# Altium PCB Power Distribution Board Rev5.PcbDoc (part 1 of 2) (continued)
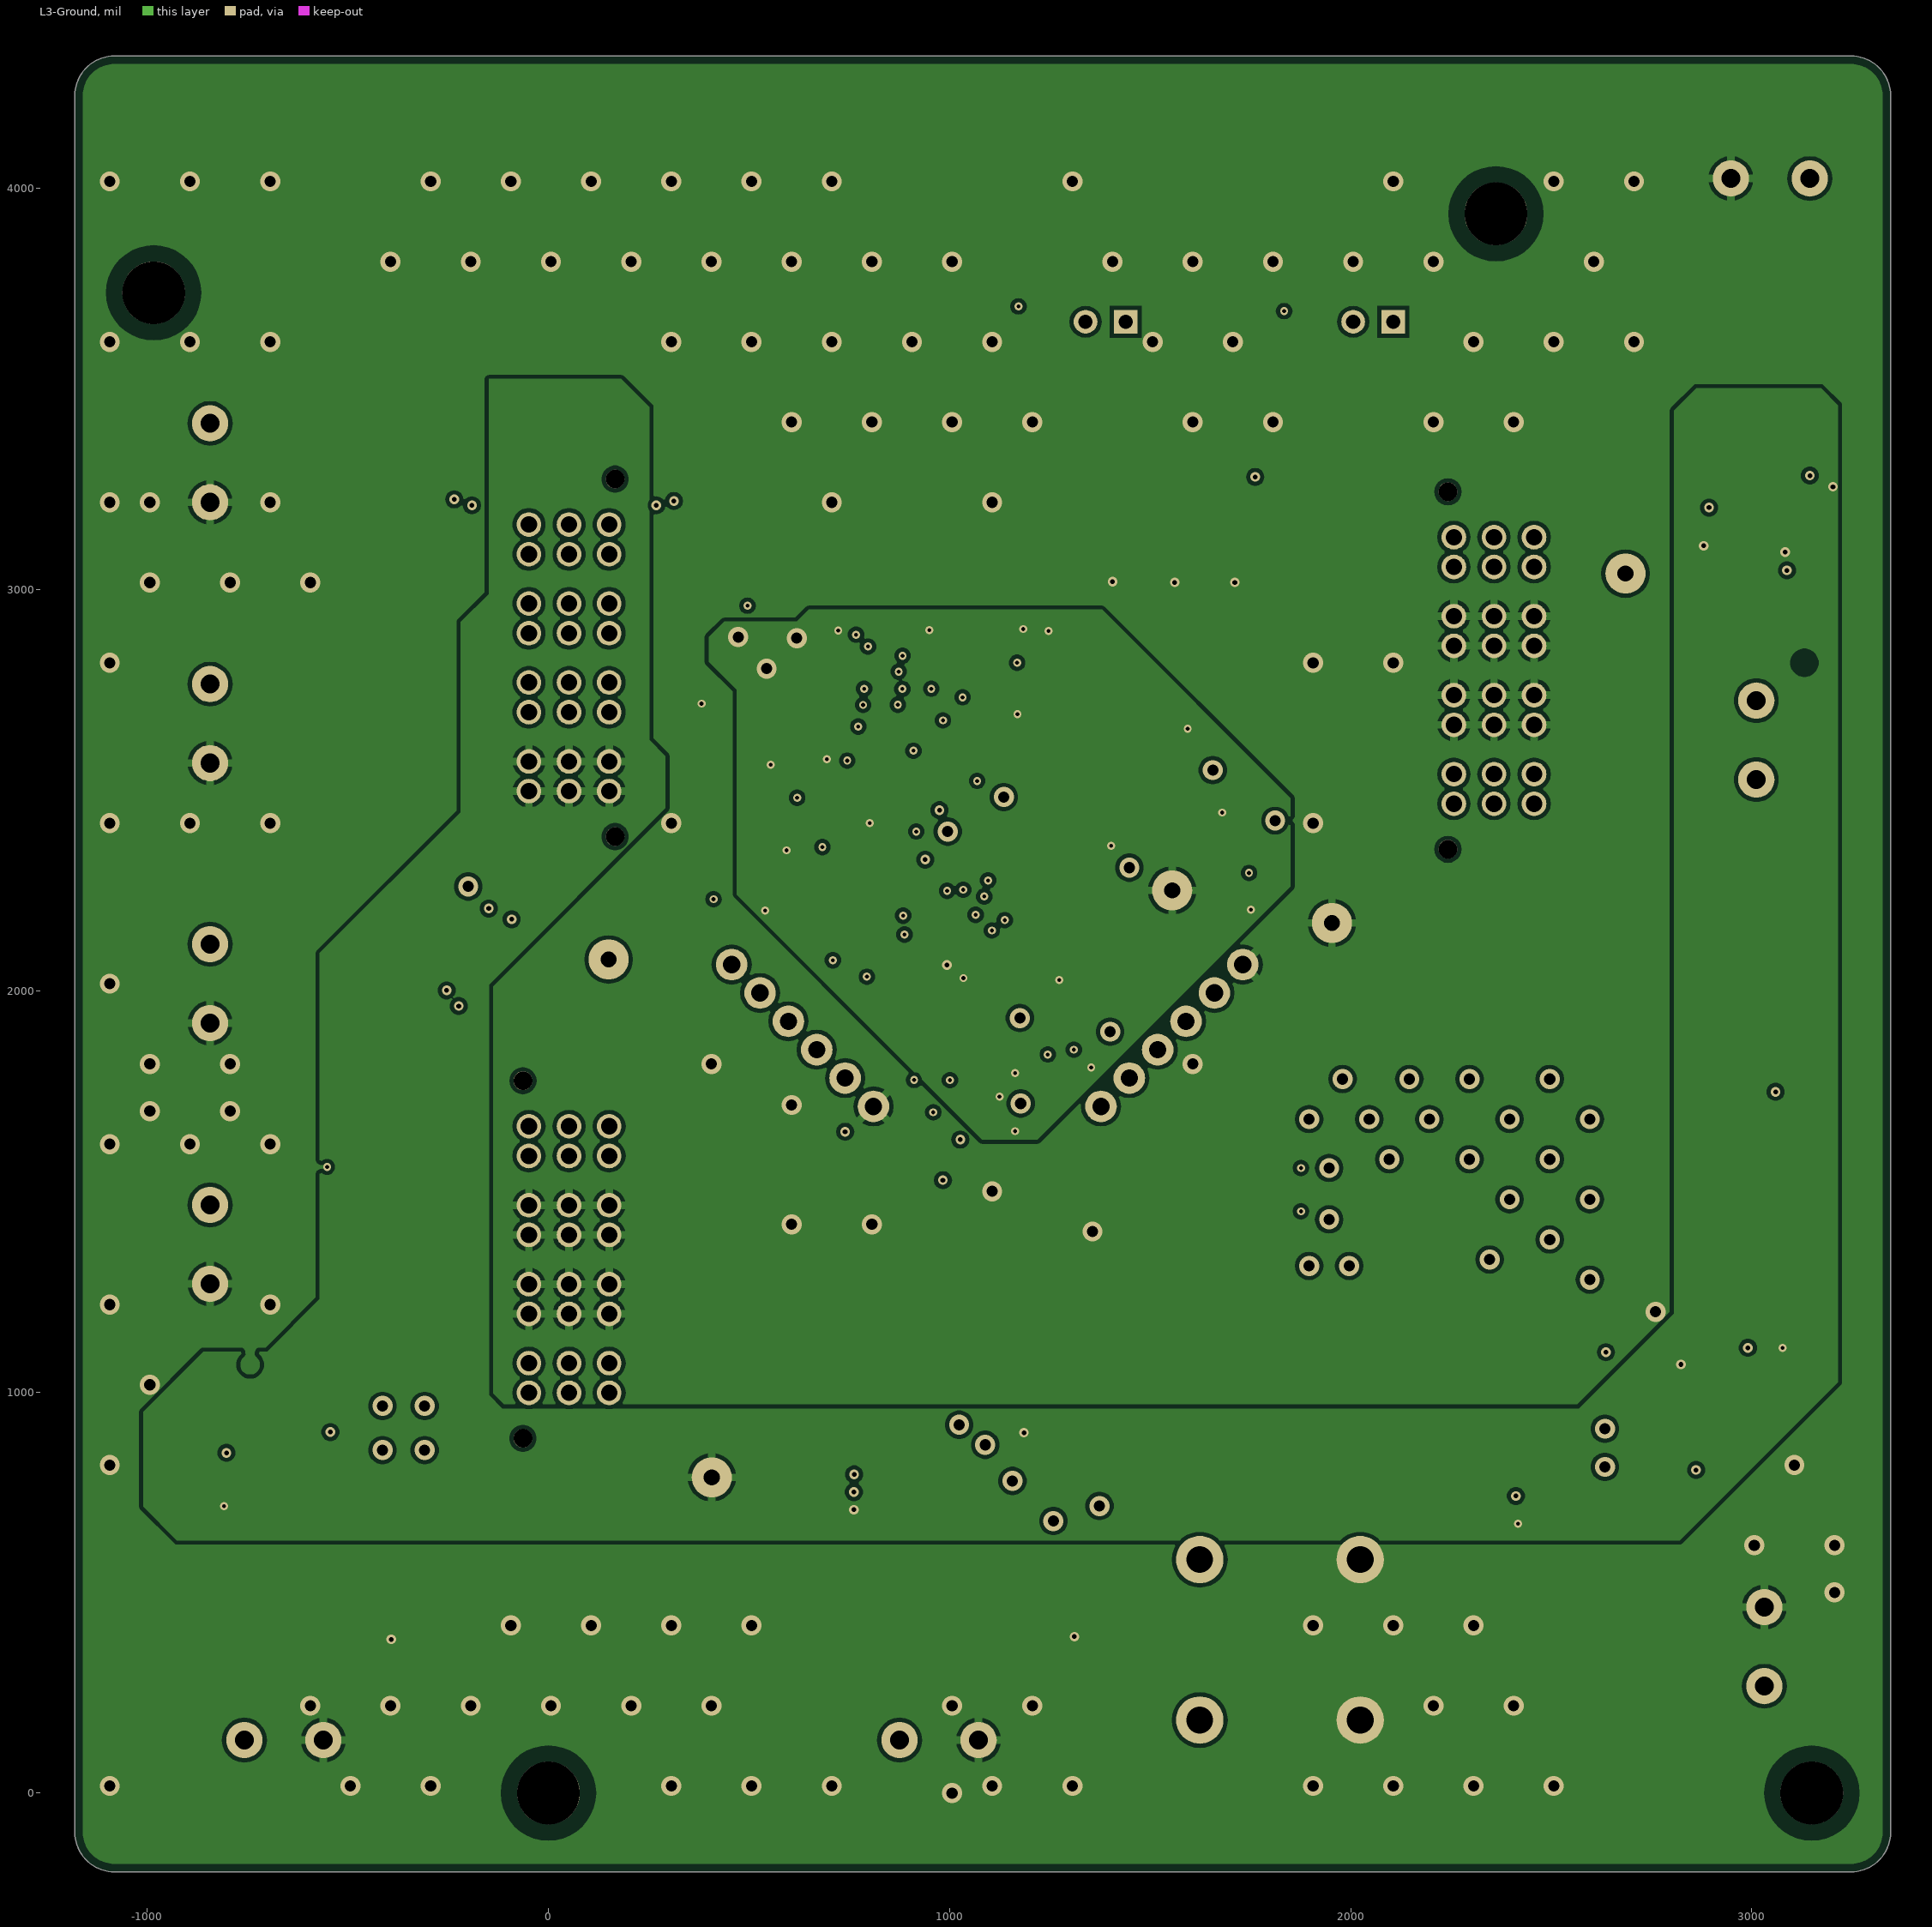
[diagram p3: L3-Ground]
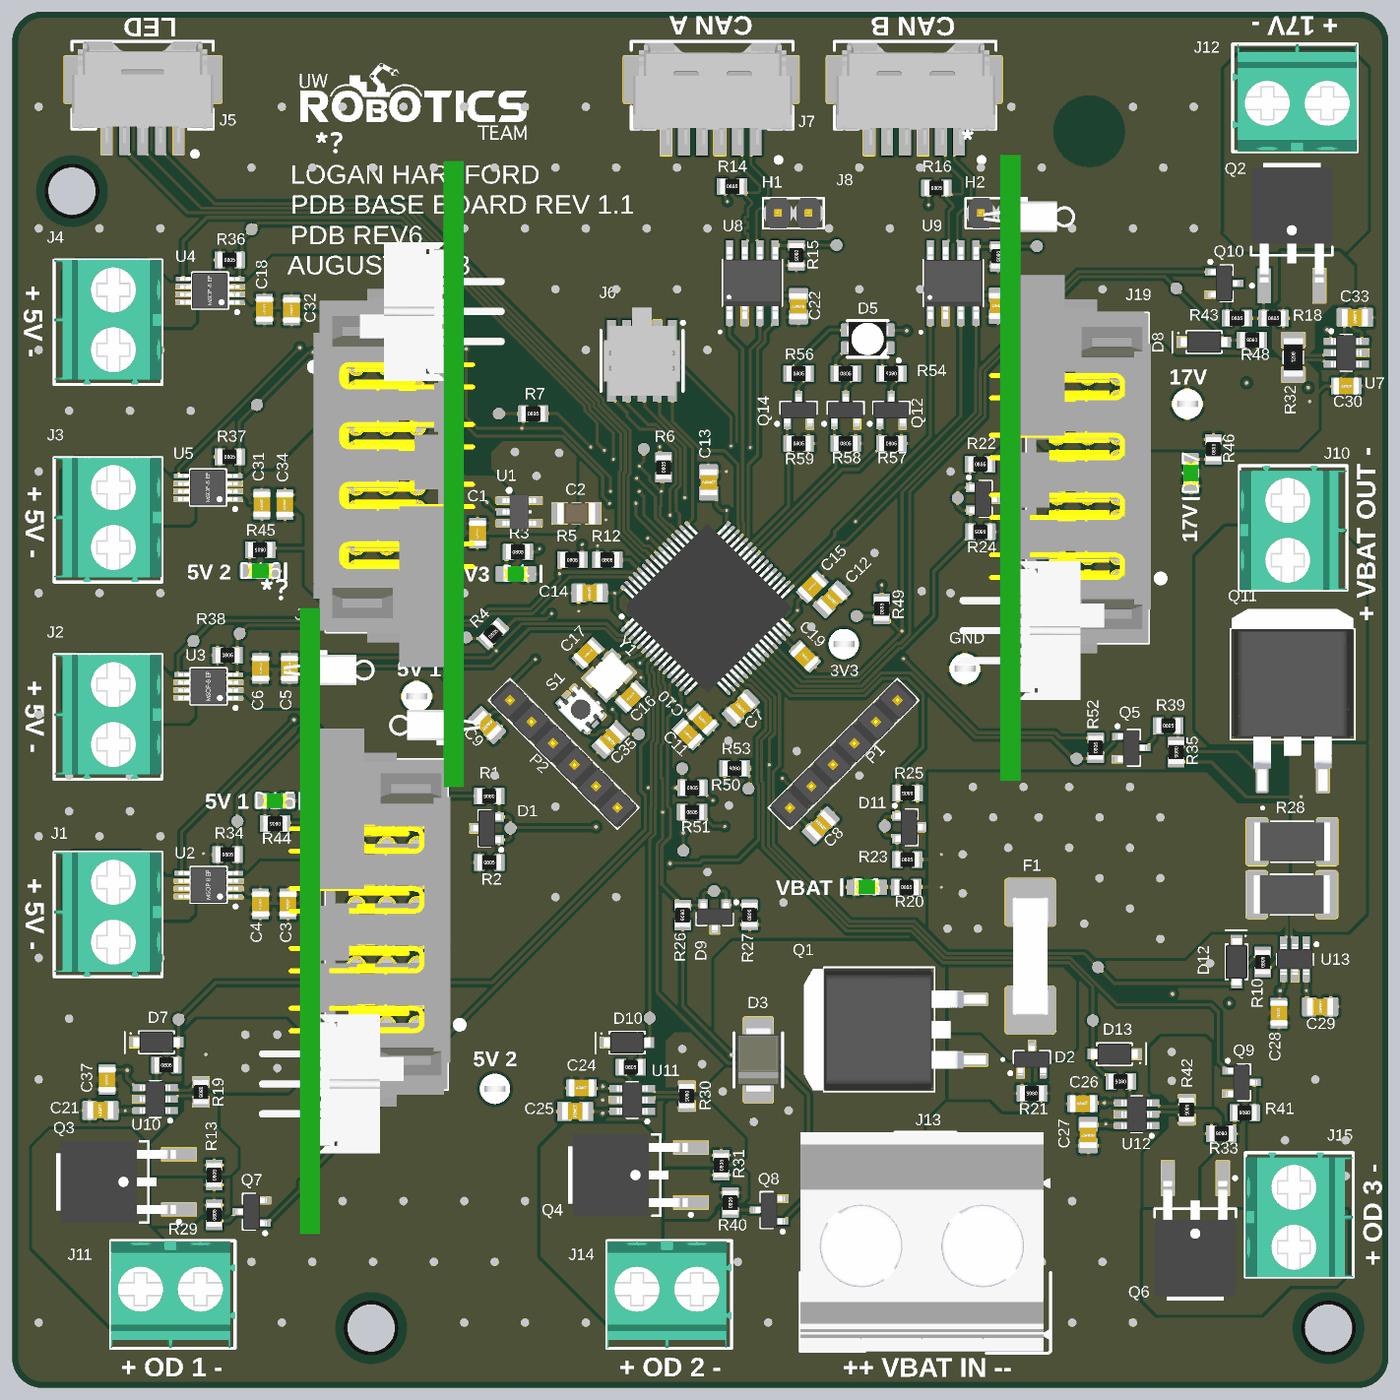
[diagram p5: 3D render of the assembled board from above, using the file's embedded part models]

## Layer stack, top to bottom
Top Solder: solder mask 0.5, Solder Resist, Dk 3.8
Top Layer: signal copper 1.378
Dielectric 1: prepreg 8.2835, 7628, Dk 4.6
L2-Ground: signal copper 0.5984
Core: core 41.9291, FR-4, Dk 4.5
L3-Ground: signal copper 0.5984
Dielectric 2: prepreg 8.2835, 7628, Dk 4.6
Bottom Layer: signal copper 1.378
Bottom Solder: solder mask 0.5, Solder Resist, Dk 3.8

## Board outline
-1181.1,-96.85 ccw(c-1081.1,-96.85) -1081.1,-196.85 3246.46,-196.85 ccw(c3246.46,-96.85) 3346.46,-96.85 3346.46,4230.71 ccw(c3246.46,4230.71) 3246.46,4330.71 -1081.1,4330.71 ccw(c-1081.1,4230.71) -1181.1,4230.71

## Design rules (kind name [scope] priority, off if disabled: settings)
BoardOutlineClearance [All] p1: gap=20 ignorepadtopadclearanceinfootprint=FALSE except(5: Text-OutlineEdge Text-CavityEdge Text-CutoutEdge Text-SplitBarrior Text-SplitContinuation; 25: Track-OutlineEdge Track-CavityEdge Track-CutoutEdge Track-SplitBarrior Track-SplitContinuation)
Clearance Clearance_mounting [(InComponent('MH1') OR InComponent('MH2') OR InComponent('MH3') OR InComponent('MH4'))] p1: gap=40 ignorepadtopadclearanceinfootprint=TRUE
Clearance "High Voltage Internal" [InNetClass('High_Voltage_Internal')  and OnLayer('Power')] p2: gap=20 ignorepadtopadclearanceinfootprint=TRUE
Clearance "High Voltage External" [InNetClass('High_Voltage')  and OnLayer('Signal')] p3: gap=12 ignorepadtopadclearanceinfootprint=TRUE
Clearance Clearance_1 [All] p4: gap=10 ignorepadtopadclearanceinfootprint=TRUE except(0: Arc-Text Track-Text; 5: Track-Track SMDPad-SMDPad Text-Text; 7: SMDPad-Region; 8: Arc-Arc Arc-Track Arc-SMDPad Track-SMDPad Track-Region SMDPad-THPad SMDPad-Fill SMDPad-Poly SMDPad-Text Region-Region; 20: THPad-THPad Via-Via)
ComponentClearance [All] p1: gap=10 collisioncheckmode=3 verticalgap=200 showdistances=FALSE
DiffPairsRouting [InDifferentialPairClass('CANBUS120')] p1: maxlimit=20 minlimit=8 mostfreqgap=20 toplayer_mingap=20 toplayer_minwidth=8 toplayer_maxwidth=8 toplayer_prefwidth=8 impedanceprofiledriven=TRUE impedanceprofileid={4CE2BA0C-8610-4AF6-9104-F98BE8B16325} impedanceprofilevalue=120.000000 maxuncoupledlength=500
Height [All] p1: minheight=0 maxheight=50000 prefheight=500
HoleSize [All] p1: absolutevalues=TRUE maxlimit=200 minlimit=10 maxpercent=80.000 minpercent=20.000
HoleToHoleClearance [All] p1: gap=20 allowstackedmicrovias=TRUE
MatchedLengths [InDifferentialPairClass('CANBUS120')] p1: tolerance=50 checknetsindiffpair=TRUE checkdiffpairvsdiffpair=FALSE checkxsignals=FALSE checkothers=FALSE
MinimumAnnularRing [All] p1: minimumring=5
MinimumSolderMaskSliver [All] p1: minsoldermaskwidth=3
PlaneConnect [All] p1: pad.planeconnectstyle=Relief pad.reliefexpansion=20 pad.reliefentries=4 pad.reliefconductorwidth=10 pad.reliefairgap=10 via.planeconnectstyle=Direct via.reliefexpansion=20 via.reliefentries=4 via.reliefconductorwidth=10 via.reliefairgap=10
PolygonConnect VBAT_Terminal [InComponent('J13')] p1: thpad.connectstyle=Direct thpad.reliefconductorwidth=10 thpad.reliefentries=4 thpad.polygonreliefangle="90 Angle" thpad.airgapwidth=10 smdpad.connectstyle=Relief smdpad.reliefconductorwidth=10 smdpad.reliefentries=4 smdpad.polygonreliefangle="90 Angle" smdpad.airgapwidth=10 via.connectstyle=Relief via.reliefconductorwidth=10 via.reliefentries=4 via.polygonreliefangle="90 Angle" via.airgapwidth=10
PolygonConnect DirectConnect_CS_Resistors [(InComponent('R19') OR InComponent('R30') OR InComponent('R42'))] p2: connectstyle=Direct reliefconductorwidth=10 reliefentries=4 polygonreliefangle="90 Angle" airgapwidth=10
PolygonConnect Small_Component_Releifs [(HasFootprint('CAP0805') OR HasFootprint('CAP0603') OR HasFootprint('RES0603') OR HasFootprint('RES0805') OR HasFootprint('CAP2012') OR HasFootprint('SOD-923') OR HasFootprint('SOD-128') OR HasFootprint('LED_0805_GREEN'))] p3: thpad.connectstyle=Relief thpad.reliefconductorwidth=10 thpad.reliefentries=4 thpad.polygonreliefangle="90 Angle" thpad.airgapwidth=10 smdpad.connectstyle=Relief smdpad.reliefconductorwidth=10 smdpad.reliefentries=4 smdpad.polygonreliefangle="90 Angle" smdpad.airgapwidth=10 via.connectstyle=Direct via.reliefconductorwidth=10 via.reliefentries=4 via.polygonreliefangle="45 Angle" via.airgapwidth=10
PolygonConnect PolygonConnect_Via [IsVia] p4: connectstyle=Direct reliefconductorwidth=10 reliefentries=4 polygonreliefangle="90 Angle" airgapwidth=10
PolygonConnect [All] p5: thpad.connectstyle=Relief thpad.reliefconductorwidth=20 thpad.reliefentries=4 thpad.polygonreliefangle="90 Angle" thpad.airgapwidth=10 smdpad.connectstyle=Direct smdpad.reliefconductorwidth=10 smdpad.reliefentries=4 smdpad.polygonreliefangle="90 Angle" smdpad.airgapwidth=10 via.connectstyle=Direct via.reliefconductorwidth=10 via.reliefentries=4 via.polygonreliefangle="90 Angle" via.airgapwidth=10
RoutingVias [All] p1: holewidth=12 width=24 viastyle="Through Hole" minholewidth=6 minwidth=12 maxholewidth=24 maxwidth=50
SilkToSilkClearance [All] p1: silktosilkclearance=2
SilkToSolderMaskClearance [IsPad] p1: minsilkscreentomaskgap=0.5 clearancetoexposedcopper=TRUE
SolderMaskExpansion [All] p1: expansion=2 istentingtop=FALSE
Width Width_1 [All] p1: maxlimit=100 minlimit=5 preferedwidth=10 midlayer1_maxwidth=10 minimp=50.000000 maximp=50.000000 favimp=50.000000
21 further rules are at their usual default settings.

## Classes and differential pairs
component class "SH1 - 48V POWER": C21 C24 C25 C26 C27 C28 C29 C37 D2 D3 D6 D7 D10 D11 D12 D13 F1 J10 J11 J13 J14 J15 Q1 Q3 Q4 Q5 Q6 Q7 Q8 Q9 Q11 R8 R9 R10 R11 R13 R19 R20 R21 R23 R25 R28 R29 R30 R31 R33 R35 R39 R40 R41 R42 R47 R50 R51 R52 R53 "TP 14" "TP 15" "TP 16" "TP 17" "TP 18" "TP 19" "TP 20" "TP 21" "TP 22" U10 U11 U12 U13
differential pair class CANBUS120: CANA CANB
component class "SH6 - CAN": C22 C23 H1 H2 J7 J8 R14 R15 R16 R17 "TP 24" "TP 25" U8 U9
component class "SH5 - MICROCONTROLLER": C7 C8 C9 C10 C11 C12 C13 C14 C15 C16 C17 C19 C35 D5 J5 J6 MH1 MH2 MH3 MH4 P1 P2 Q12 Q13 Q14 R12 R54 R55 R56 R57 R58 R59 S1 "TP  NRST1" U6 Y1
component class "SH3 - 17V POWER": * *? C30 C33 D8 D14 D17 J12 J19 Q2 Q10 R18 R22 R24 R32 R43 R46 R48 R49 TP5 "TP 11" "TP 12" "TP 13" U7
component class "SH2 - 5V POWER": C3 C4 C5 C6 C18 C31 C32 C34 D1 D9 D15 D16 EN1 J1 J2 J3 J4 J9 J16 R1 R2 R4 R5 R6 R7 R26 R27 R34 R36 R37 R38 R44 R45 TP3 TP4 "TP 1" "TP 2" "TP 3" "TP 4" "TP 5" "TP 6" "TP 7" "TP 8" "TP 9" "TP 10" U2 U3 U4 U5
component class "SH4 - 3.3V LINEAR REGULATOR": 3V3 C1 C2 D4 GND R3 TP11 TP12 U1
differential pair CANB: +CANB_P -CANB_N
differential pair CANA: +CANA_P -CANA_N

## Components (designator, comment, footprint, x,y, rotation, side; value= is the part's Value field where it differs from the comment)
3V3 "TESTPOINT_LOOP" TESTPOINT_LOOP 1554.9,2250.15 r0 top (schematic designator TP1)
* "17V_3D_BODY_TEST" 17V_3D_BODY_TEST 2555,2715 r90 top
*? "17V_3D_BODY_TEST" 17V_3D_BODY_TEST 250.3,1223.6 r90 top
*? "17V_3D_BODY_TEST" 17V_3D_BODY_TEST -180,2923.99 r270 top
C1 "CAP_1uF_100V_0805" CAP0805 350.12,2615.21 r90 top value=1μF
C2 "CAP_1uF_100V_1206" CAPC3216X190X50NL20T25 674.9,2680.15 r180 top value=1μF
C3 "CAP_10uF_16V_0805" CAP0805 -273.7,1395 r90 top value=10μF
C4 "CAP_1uF_100V_0805" CAP0805 -363.7,1395 r90 top value=1μF
C5 "CAP_10uF_16V_0805" CAP0805 -268.7,2170 r270 top value=10μF
C6 "CAP_1uF_100V_0805" CAP0805 -363.7,2170 r270 top value=1μF
C7 "CAP_0.1uF_50V_0805" CAP2012 1216.27,2040.35 r44 top value=0.1μF
C8 "CAP_0.1uF_50V_0805" CAP2012 1478.9,1654.15 r225 top value=0.1μF
C9 "CAP_0.1uF_50V_0805" CAP2012 381.95,1983.56 r135 top value=0.1μF
C10 "CAP_0.01uF_100V_0805" CAP0805 1090.9,2001.15 r135 top value=0.01μF
C11 "CAP_1uF_100V_0805" CAP0805 1042.27,1953.67 r135 top value=1μF
C12 "CAP_0.1uF_50V_0805" CAP2012 1514.9,2397.15 r225 top value=0.1μF
C13 "CAP_0.1uF_50V_0805" CAP2012 1109.9,2782.15 r270 top value=0.1μF
C14 "CAP_0.1uF_50V_0805" CAP2012 718.9,2417.83 r0 top value=0.1μF
C15 "CAP_4.7uF_16V_0805" CAP0805 1450.9,2438.15 r225 top value=4.7μF
C16 "CAP_14pF_50V_0805" CAP0805 854.75,2076.55 r45 top value=14pF
C17 "CAP_14pF_50V_0805" CAP0805 712.77,2219.7 r225 top value=14pF
C18 "CAP_1uF_100V_0805" CAP0805 -350.7,3352 r90 top value=1μF
C19 "CAP_4.7uF_16V_0805" CAP0805 1426.9,2209.15 r135 top value=4.7μF
C21 "CAP_0.1uF_50V_0805" CAP2012 -890.76,715.75 r0 top value=0.1μF
C22 "CAP_0.1uF_50V_0805" CAP2012 1406.14,3361.53 r90 top value=0.1μF
C23 "CAP_0.1uF_50V_0805" CAP2012 2063.87,3363.01 r90 top value=0.1μF
C24 "CAP_1uF_100V_0805" CAP0805 692.3,790 r0 top value=1μF
C25 "CAP_0.1uF_50V_0805" CAP2012 671.3,712.32 r0 top value=0.1μF
C26 "CAP_1uF_100V_0805" CAP0805 2340.78,738.2 r0 top value=1μF
C27 "CAP_0.1uF_50V_0805" CAP2012 2359.3,635 r90 top value=0.1μF
C28 "CAP_1uF_100V_0805" CAP0805 2986.3,1036 r90 top value=1μF
C29 "CAP_0.1uF_50V_0805" CAP2012 3122.1,1056.97 r180 top value=0.1μF
C30 "CAP_1uF_100V_0805" CAP0805 3207.93,3099 r180 top value=1μF
C31 "CAP_1uF_100V_0805" CAP0805 -359.7,2710 r90 top value=1μF
C32 "CAP_10uF_16V_0805" CAP0805 -261.7,3349 r90 top value=10μF
C33 "CAP_0.1uF_50V_0805" CAP2012 3236.3,3325 r180 top value=0.1μF
C34 "CAP_10uF_16V_0805" CAP0805 -283.99,2709.24 r90 top value=10μF
C35 "CAP_0.1uF_50V_0805" CAP2012 786.9,1935.15 r45 top value=0.1μF
C37 "CAP_1uF_100V_0805" CAP0805 -868.7,817 r90 top value=1μF
D1 "TVS_DIODE_3.3V_13.3A" ESD3V3AP-TP 380.93,1644.12 r180 top
D2 "DIO_ZENER_51V" SOT23-3 2173.76,883.57 r90 top
D3 "TVS_DIODE_BIDIR_51V" TVS_DIODE_BIDIR_SMB 1273.76,882 r90 top
D4 "DIO_LED_G" LED_0805_GREEN 475.9,2481.15 r0 top
D5 "LED_RGB" LED_RGB 1633.3,3254 r90 top
D6 "LED_GREEN" LED_0805_GREEN 1630.9,1450.15 r180 top
D7 "DIO_ZENER_3V" MMSZ4683-TP -706.18,940 r0 top
D8 "DIO_ZENER_3V" MMSZ4683-TP 2740.3,3244 r0 top
D9 "TVS_DIODE_3.3V_13.3A" ESD3V3AP-TP 1130.15,1353.28 r270 top
D10 "DIO_ZENER_3V" MMSZ4683-TP 842.3,939 r0 top
D11 "TVS_DIODE_3.3V_13.3A" ESD3V3AP-TP 1769.86,1647.51 r0 top
D12 "DIO_ZENER_3V" MMSZ4683-TP 2847.3,1205 r270 top
D13 "DIO_ZENER_3V" MMSZ4683-TP 2445.3,901 r180 top
D14 "TVS_DIODE_3.3V_13.3A" ESD3V3AP-TP 2013.52,2727.71 r0 top
D15 "LED_GREEN" LED_0805_GREEN -316.7,1734 r0 top
D16 "LED_GREEN" LED_0805_GREEN -364.7,2490 r0 top
D17 "LED_GREEN" LED_0805_GREEN 2697.3,2812 r270 top
F1 "FUSE_30A_3912" FUSE_3912 2168.9,1223.15 r90 top
GND "TESTPOINT_LOOP" TESTPOINT_LOOP 1953.3,2169 r0 top (schematic designator TP2)
H1 "JUMPER_2" HDR1X2 1439.1,3667.72 r180 top
H2 "JUMPER_2" HDR1X2 2106.3,3667.72 r180 top
J1 "CON_2M_TERM" 1935161 -843.7,1367.72 r270 top
J2 "CON_2M_TERM" 1935161 -843.7,2017.72 r270 top
J3 "CON_2M_TERM" 1935161 -843.7,2666.14 r270 top
J4 "CON_2M_TERM" 1935161 -843.7,3316.14 r270 top
J5 "CON_5M_SM_RA" MOLEX-5025850570 -633.87,3917.72 r0 top
J6 "CON_PROGRAMMING" FTSH-105-01-F-DV-K-P-TR 890.9,3182.15 r180 top
J7 "CON_6M_SM_RA_1.5mm" MOLEX-5025850670 1265.35,3917.72 r0 top
J8 "CON_6M_SM_RA_1.5mm" MOLEX-5025850670 1933.46,3917.72 r0 top
J9 "CON_2POS_SCREW_TERM" MPS-04-7.70-01-L-V 51.3,1330 r270 top
J10 "CON_2M_TERM" 1935161 3011.3,2625 r90 top
J11 "CON_2M_TERM" 1935161 -659.67,132 r0 top
J12 "CON_2M_TERM" 1935161 3046.3,4025 r180 top
J13 "CON_2POS_SCREW_TERM" VP0265840000G 1823.76,382 r90 top
J14 "CON_2M_TERM" 1935161 973.76,132 r0 top
J15 "CON_2M_TERM" 1935161 3031.3,365 r90 top
J16 "CON_2POS_SCREW_TERM" MPS-04-7.70-01-L-V 51.3,2830 r90 top
J19 "CON_2POS_SCREW_TERM" MPS-04-7.70-01-L-V 2357.3,2798.42 r270 top
MH1 "MOUNTING_HOLE_5/32" MOUNTING_HOLE_5/38#1 3106.3,-32.28 r0 top
MH2 "MOUNTING_HOLE_5/32" MOUNTING_HOLE_5/38#2 0.3,125.72 r0 top
MH3 "MOUNTING_HOLE_5/32" MOUNTING_HOLE_5/38#3 4082.99,4208.86 r0 top
MH4 "MOUNTING_HOLE_5/32" MOUNTING_HOLE_5/38#4 -803.54,3680.71 r0 top
P1 "CONN_TERMINAL_6" CONN_6POS_SIP 1554.25,1888.5 r135 top
P2 "CONN_TERMINAL_6" CONN_6POS_SIP 633.54,1888.5 r45 top
Q1 "PMOS_100V_38A" "DPAK254P1524X483-4_3N - new" 1723.76,982 r180 top
Q2 "PMOS_100V_13A" RD3P130SPFRATL 3028.9,3612.15 r90 top
Q3 "PMOS_100V_13A" RD3P130SPFRATL -815.56,480.74 r180 top
Q4 "PMOS_100V_13A" RD3P130SPFRATL 868.9,503.15 r180 top
Q5 "NMOS_60V_340mS" SOT23-3 2500.96,1909 r0 top
Q6 "PMOS_100V_13A" RD3P130SPFRATL 2711.3,310 r270 top
Q7 "NMOS_60V_340mS" SOT23-3 -394.04,382.64 r180 top
Q8 "NMOS_60V_340mS" SOT23-3 1308.9,388.13 r180 top
Q9 "NMOS_60V_340mS" SOT23-3 2863.9,808.15 r0 top
Q10 "NMOS_60V_340mS" SOT23-3 2806.3,3437.15 r0 top
Q11 "PMOS_100V_38A" "DPAK254P1524X483-4_3N - new" 3031.3,2065 r90 top
Q12 "NMOS_60V_340mS" SOT23-3 1711.3,3020 r90 top
Q13 "NMOS_60V_340mS" SOT23-3 1561.3,3020 r90 top
Q14 "NMOS_60V_340mS" SOT23-3 1406.3,3020 r90 top
R1 "RES_2.2kΩ_0805" RES0805 388.37,1749.79 r180 top value=2.2kΩ
R2 "RES_3.3kΩ_0805_1%" RES0805 388.77,1531.67 r0 top value=3.3kΩ
R3 "RES_220Ω_0805_5%" RES0805 482.9,2553.15 r0 top value=220Ω
R4 "RES_10kΩ_0805_5%" RES0805 401.3,2284 r45 top value=10kΩ
R5 "RES_10kΩ_0805_5%" RES0805 661.9,2527.15 r0 top value=10kΩ
R6 "RES_10kΩ_0805_5%" RES0805 961.9,2831.93 r90 top value=10kΩ
R7 "RES_10kΩ_0805_5%" RES0805 532.9,3008.15 r0 top value=10kΩ
R8 "RES_6.04kΩ_0805_1%" RES0805 -673.7,865 r0 top value=6.04kΩ
R9 "RES_6.04kΩ_0805_1%" RES0805 854.3,858 r0 top value=6.04kΩ
R10 "RES_6.04kΩ_0805_1%" RES0805 2933.3,1204 r90 top value=6.04kΩ
R11 "RES_4mΩ_2512_1%_5W" RESC6532X75N 3028.91,1425.86 r0 top value=0.004Ω
R12 "RES_10kΩ_0805_5%" RES0805 776.9,2527.15 r0 top value=10kΩ
R13 "RES_2.7kΩ_0805_1%" RES0805 -516.1,503.15 r90 top value=2.7kΩ
R14 "RES_120Ω_0805_1%" RES0805 1187.38,3756.07 r0 top value=120Ω
R15 "RES_0Ω_0805" RES0805 1398.83,3529.11 r270 top value=0Ω
R16 "RES_120Ω_0805_1%" RES0805 1859.95,3750.55 r0 top value=120Ω
R17 "RES_0Ω_0805" RES0805 2063.87,3525.83 r270 top value=0Ω
R18 "RES_2.7kΩ_0805_1%" RES0805 2968.9,3322.15 r0 top value=2.7kΩ
R19 "RES_24mΩ_0805_1%" RES0805 -559.97,776.6 r270 top value=0.024Ω
R20 "RES_10kΩ_0805_5%" RES0805 1760.9,1450.15 r0 top value=10kΩ
R21 "RES_1kΩ_0805_1%" RES0805 2173.76,772.15 r180 top value=1kΩ
R22 "RES_5.6kΩ_0805" RES0805 2003.65,2841.9 r0 top value=5.6kΩ
R23 "RES_15kΩ_0805_1%" RES0805 1763.84,1541.03 r0 top value=15kΩ
R24 "RES_1.2kΩ_0805" RES0805 2004.29,2619.64 r180 top value=1.2kΩ
R25 "RES_1kΩ_0805_1%_1" RES0805 1764.55,1759.62 r180 top value=1kΩ
R26 "RES_2.2kΩ_0805" RES0805 1024.55,1358.41 r270 top value=2.2kΩ
R27 "RES_3.3kΩ_0805_1%" RES0805 1244.78,1359.26 r90 top value=3.3kΩ
R28 "RES_4mΩ_2512_1%_5W" RESC6532X75N 3030,1600 r0 top value=0.004Ω
R29 "RES_10kΩ_0805_5%" RES0805 -516.1,372.24 r90 top value=10kΩ
R30 "RES_24mΩ_0805_1%" RES0805 1038.9,762.83 r270 top value=0.024Ω
R31 "RES_2.7kΩ_0805_1%" RES0805 1151.81,535.63 r90 top value=2.7kΩ
R32 "RES_0.015Ω_1206_1%" RES1206 3033.55,3193.46 r90 top value=0.015Ω
R33 "RES_2.7kΩ_0805_1%" RES0805 2797.21,639.84 r180 top value=2.7kΩ
R34 "RES_10kΩ_0805_5%" RES0805 -472.31,1557.94 r0 top value=10kΩ
R35 "RES_2.7kΩ_0805_1%" RES0805 2648.52,1894.7 r270 top value=2.7kΩ
R36 "RES_10kΩ_0805_5%" RES0805 -465.5,3513.83 r0 top value=10kΩ
R37 "RES_10kΩ_0805_5%" RES0805 -465.5,2866.05 r0 top value=10kΩ
R38 "RES_10kΩ_0805_5%" RES0805 -472.48,2213.7 r0 top value=10kΩ
R39 "RES_10kΩ_0805_5%" RES0805 2622.68,1981.86 r0 top value=10kΩ
R40 "RES_10kΩ_0805_5%" RES0805 1181.65,412.6 r90 top value=10kΩ
R41 "RES_10kΩ_0805_5%" RES0805 2873.9,708.15 r180 top value=10kΩ
R42 "RES_24mΩ_0805_1%" RES0805 2683.9,718.15 r270 top value=0.024Ω
R43 "RES_10kΩ_0805_5%" RES0805 2848.9,3322.15 r0 top value=10kΩ
R44 "RES_510kΩ_0805_1%" RES0805 -315.7,1659 r180 top value=510kΩ
R45 "RES_510kΩ_0805_1%" RES0805 -364.7,2560 r180 top value=510kΩ
R46 "RES_3.3kΩ_0805_1%" RES0805 2771.3,2891 r90 top value=3.3kΩ
R47 "RES_6.04kΩ_0805_1%" RES0805 2465.82,811 r180 top value=6.04kΩ
R48 "RES_6.04kΩ_0805_1%" RES0805 2897.99,3250.54 r180 top value=6.04kΩ
R49 "RES_10kΩ_0805_5%" RES0805 1679.9,2366.15 r90 top value=10kΩ
R50 "RES_10kΩ_0805_5%" RES0805 1056.9,1777.15 r0 top value=10kΩ
R51 "RES_10kΩ_0805_5%" RES0805 1055.9,1697.15 r0 top value=10kΩ
R52 "RES_10kΩ_0805_5%" RES0805 2383.52,1909 r90 top value=10kΩ
R53 "RES_10kΩ_0805_5%" RES0805 1195.9,1841.15 r180 top value=10kΩ
R54 "RES_294Ω_0805_1%" RES0805 1711.3,3140 r180 top value=294Ω
R55 "RES_191Ω_0805_1%" RES0805 1561.3,3140 r0 top value=191Ω
R56 "RES_191Ω_0805_1%" RES0805 1406.3,3140 r0 top value=191Ω
R57 "RES_10kΩ_0805_5%" RES0805 1711.3,2910 r0 top value=10kΩ
R58 "RES_10kΩ_0805_5%" RES0805 1561.3,2910 r0 top value=10kΩ
R59 "RES_10kΩ_0805_5%" RES0805 1406.3,2910 r0 top value=10kΩ
S1 "SW_PUSHBUTTON" TACTILE_SWITCH_SMD 689.8,2035.15 r315 top
TP3 "TESTPOINT_LOOP" TESTPOINT_LOOP 150,2078 r0 top
TP4 "TESTPOINT_LOOP" TESTPOINT_LOOP 407.3,787 r0 top
TP5 "TESTPOINT_LOOP" TESTPOINT_LOOP 2685.3,3040 r0 top
"TP 1" "TESTPOINT_1MM_CIRCLE" TESTPOINT_CIRCLE_1MM -439.83,1667 r90 top